# Altium PCB control_panel2.PcbDoc (part 3 of 3)
Units mm, origin at the board's own origin, x right, y up, seen from the top; angles counter-clockwise.
Board outline 120 x 480 mm, 2 copper layers (Top Layer, Bottom Layer), stack 1.635 mm thick; 282 components, 214 nets, 869 pads, 408 vias.
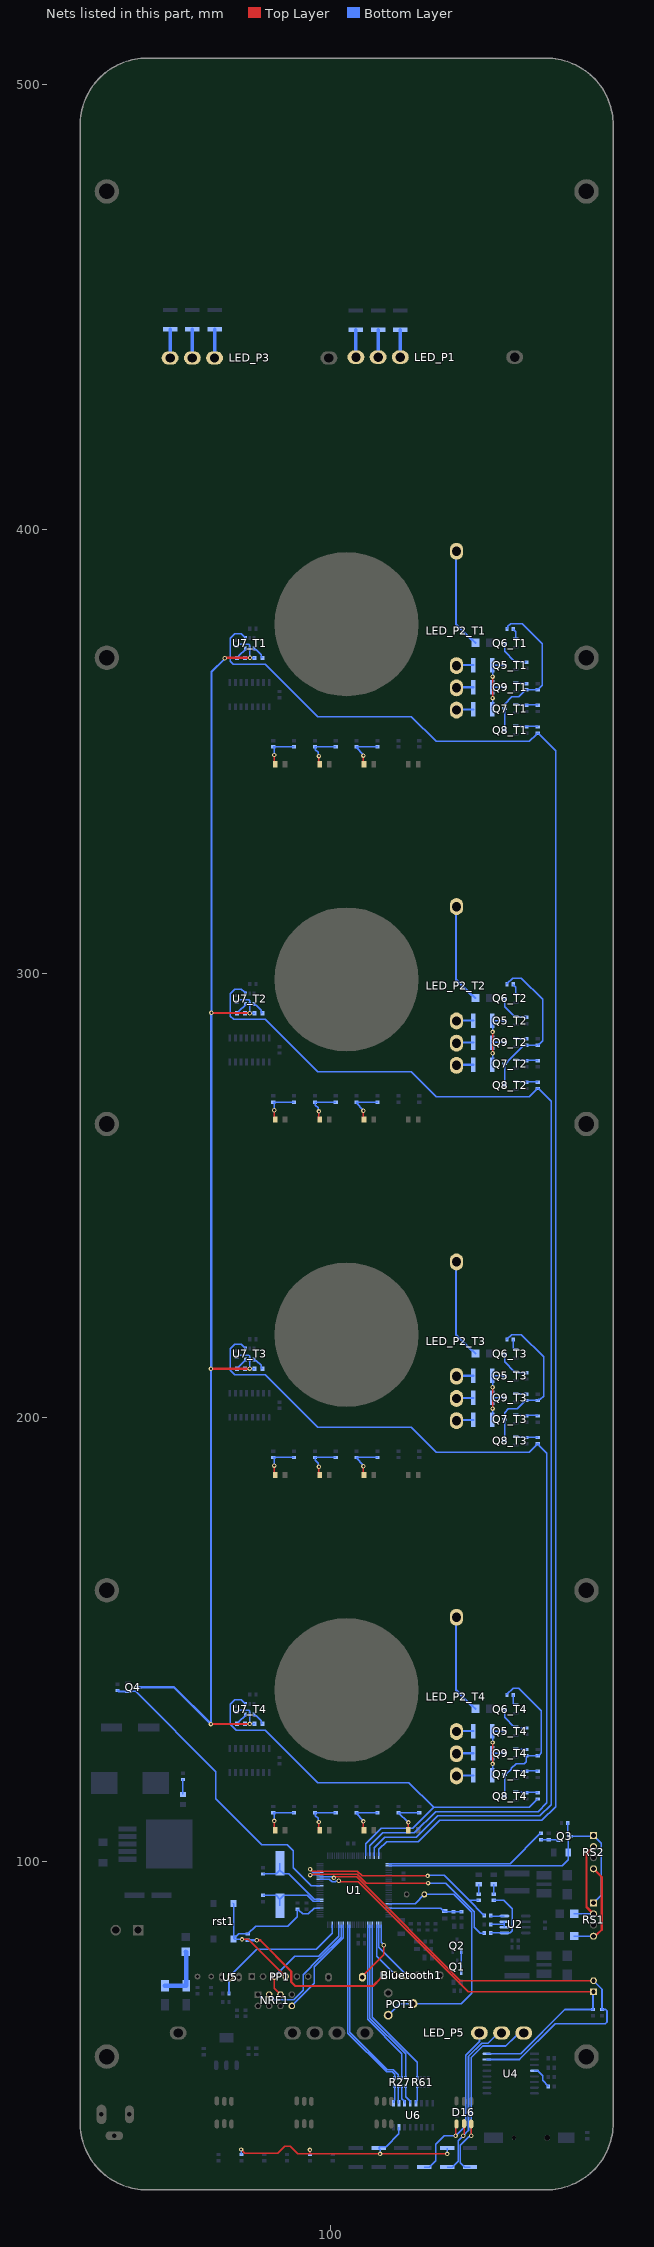
[diagram p3: the nets of this part, all layers, seen from the top]

## Via types
v1: diameter 1, hole 0.5, Top Layer to Bottom Layer, tented both sides, 398 vias
v2: diameter 1.8, hole 0.8, Top Layer to Bottom Layer, tented both sides, 10 vias

## Nets (pads, with @x,y where several pads share a name; then routed paths per layer and width w, separated by ;. In a path a pad name is that pad's centre, name@x,y a point inside that pad or via, vN(x,y) a via of type N, cw(c..) or ccw(c..) an arc to the next point about the centre after c; other vN are vias at no path point) (continued)
NetD12_T4_1: D12_T4.1 R31_T4.1 R32_T4.1 | length 9.6
  Top Layer w0.3: v1(117.562,108.752) 117.562,107.004 D12_T4.1@117.569,106.997
  Bottom Layer w0.3: v1(117.562,108.752) 117.497,108.752 R32_T4.1@115.316,110.933 R31_T4.1@120.015,110.933
NetD13_T1_1: D13_T1.1 R33_T1.1 R34_T1.1 | length 9.4
  Top Layer w0.3: v1(107.442,348.996) 107.442,347.154 D13_T1.1@107.569,347.027
  Bottom Layer w0.3: v1(107.442,348.996) 107.442,349.185 105.791,350.836 R34_T1.1@105.918,350.963 R33_T1.1@110.617,350.963
NetD13_T2_1: D13_T2.1 R33_T2.1 R34_T2.1 | length 9.4
  Top Layer w0.3: v1(107.442,268.986) 107.442,267.144 D13_T2.1@107.569,267.017
  Bottom Layer w0.3: v1(107.442,268.986) 107.442,269.175 105.791,270.826 R34_T2.1@105.918,270.953 R33_T2.1@110.617,270.953
NetD13_T3_1: D13_T3.1 R33_T3.1 R34_T3.1 | length 9.4
  Top Layer w0.3: v1(107.442,188.976) 107.442,187.134 D13_T3.1@107.569,187.007
  Bottom Layer w0.3: v1(107.442,188.976) 107.442,189.165 105.791,190.816 R34_T3.1@105.918,190.943 R33_T3.1@110.617,190.943
NetD13_T4_1: D13_T4.1 R33_T4.1 R34_T4.1 | length 9.4
  Top Layer w0.3: v1(107.442,108.966) 107.442,107.124 D13_T4.1@107.569,106.997
  Bottom Layer w0.3: v1(107.442,108.966) 107.442,109.155 105.791,110.806 R34_T4.1@105.918,110.933 R33_T4.1@110.617,110.933
NetD14_T1_1: D14_T1.1 R35_T1.1 R36_T1.1 | length 9.2
  Top Layer w0.3: v1(97.409,348.869) 97.409,347.441 97.282,347.314 D14_T1.1@97.569,347.027
  Bottom Layer w0.3: v1(97.409,348.869) 97.228,349.05 97.228,349.685 96.599,350.314 96.599,350.884 R36_T1.1@96.52,350.963 R35_T1.1@101.219,350.963
NetD14_T2_1: D14_T2.1 R35_T2.1 R36_T2.1 | length 9.2
  Top Layer w0.3: v1(97.409,268.859) 97.409,267.431 97.282,267.304 D14_T2.1@97.569,267.017
  Bottom Layer w0.3: v1(97.409,268.859) 97.228,269.04 97.228,269.675 96.599,270.304 96.599,270.874 R36_T2.1@96.52,270.953 R35_T2.1@101.219,270.953
NetD14_T3_1: D14_T3.1 R35_T3.1 R36_T3.1 | length 9.2
  Top Layer w0.3: v1(97.409,188.849) 97.409,187.421 97.282,187.294 D14_T3.1@97.569,187.007
  Bottom Layer w0.3: v1(97.409,188.849) 97.228,189.03 97.228,189.665 96.599,190.294 96.599,190.864 R36_T3.1@96.52,190.943 R35_T3.1@101.219,190.943
NetD14_T4_1: D14_T4.1 R35_T4.1 R36_T4.1 | length 9.2
  Top Layer w0.3: v1(97.409,108.839) 97.409,107.411 97.282,107.284 D14_T4.1@97.569,106.997
  Bottom Layer w0.3: v1(97.409,108.839) 97.228,109.02 97.228,109.655 96.599,110.284 96.599,110.854 R36_T4.1@96.52,110.933 R35_T4.1@101.219,110.933
NetD15_T1_1: D15_T1.1 R37_T1.1 R38_T1.1 | length 8.8
  Top Layer w0.3: v1(87.376,349.123) 87.376,347.22 D15_T1.1@87.569,347.027
  Bottom Layer w0.3: R38_T1.1@87.122,350.963 R38_T1.1@87.151,350.963 ; v1(87.376,349.123) 87.376,350.738 R38_T1.1@87.151,350.963 ; R37_T1.1@91.821,350.963 R38_T1.1@87.151,350.963
NetD15_T2_1: D15_T2.1 R37_T2.1 R38_T2.1 | length 8.8
  Top Layer w0.3: v1(87.376,269.113) 87.376,267.21 D15_T2.1@87.569,267.017
  Bottom Layer w0.3: R38_T2.1@87.122,270.953 R38_T2.1@87.151,270.953 ; v1(87.376,269.113) 87.376,270.728 R38_T2.1@87.151,270.953 ; R37_T2.1@91.821,270.953 R38_T2.1@87.151,270.953
NetD15_T3_1: D15_T3.1 R37_T3.1 R38_T3.1 | length 8.8
  Top Layer w0.3: v1(87.376,189.103) 87.376,187.2 D15_T3.1@87.569,187.007
  Bottom Layer w0.3: R38_T3.1@87.122,190.943 R38_T3.1@87.151,190.943 ; v1(87.376,189.103) 87.376,190.718 R38_T3.1@87.151,190.943 ; R37_T3.1@91.821,190.943 R38_T3.1@87.151,190.943
NetD15_T4_1: D15_T4.1 R37_T4.1 R38_T4.1 | length 8.8
  Top Layer w0.3: v1(87.376,109.093) 87.376,107.19 D15_T4.1@87.569,106.997
  Bottom Layer w0.3: R38_T4.1@87.122,110.933 R38_T4.1@87.151,110.933 ; v1(87.376,109.093) 87.376,110.708 R38_T4.1@87.151,110.933 ; R37_T4.1@91.821,110.933 R38_T4.1@87.151,110.933
NetD16_1: D16.1 LED_P5.2 R57.2 | length 40.3
  Top Layer w0.3: v1(128.2,38.2) 128.2,40.636 D16.1@128.398,40.834
  Bottom Layer w0.3: R57.2@121.146,31.124 122.296,31.124 122.621,31.449 123.7,32.528 123.7,36.3 125.6,38.2 v1(128.2,38.2)
  Bottom Layer w0.4: v1(128.2,38.2) 130.484,40.484 130.484,56.284 133.55,59.35 LED_P5.2@133.55,61.341
NetD16_2: D16.2 LED_P5.3 R56.2 | length 40
  Top Layer w0.3: v1@129.9,37.95 129.9,37.85 v1@130.099,38.049 ; D16.2@130.098,40.934 130.099,40.933 v1@130.099,38.499
  Bottom Layer w0.3: R56.2@126.296,31.124 127.446,31.124 127.771,31.449 128.8,32.478 128.8,37.1 v1(129.9,38.2)
  Bottom Layer w0.4: v1(129.9,38.2) 131.1,39.4 131.1,56.051 134.049,59 135.5,59 137.841,61.341 LED_P5.3@138.55,61.341
NetD16_3: D16.3 LED_P5.4 R55.2 | length 44.3
  Top Layer w0.3: D16.3@131.698,40.834 131.749,40.783 v1@131.749,38.249 ; v1@131.7,37.85 v1@131.749,37.899
  Bottom Layer w0.3: R55.2@131.445,31.124 130.295,31.124 129.3,32.119 129.3,36.1 131.178,37.978 131.289,37.978 131.511,38.2 v1(131.7,38.2) ; v1@131.626,37.85 v1@131.7,37.85
  Bottom Layer w0.4: v1(131.7,38.2) 131.7,55.803 134.297,58.4 139.5,58.4 141.711,60.611 141.716,60.611 142.446,61.341 LED_P5.4@143.55,61.341
NetD17_1: D17.1 R62.1 | length 2.2
  Bottom Layer w0.3: D17.1@136.8,94.8 136.8,92.607 R62.1@136.807,92.6
NetD18_1: D18.1 R63.1 | length 2.2
  Bottom Layer w0.3: D18.1@133.4,94.8 133.4,92.607 R63.1@133.407,92.6
NetF1_2: F1.2 RS1.4 RS2.4 | length 21.4
  Top Layer w0.5: RS1.4@159.258,83.129 159.553,83.129 159.96,83.536 160.036,83.536 161.1,84.6 161.1,96.458 RS2.4@159.258,98.3
  Bottom Layer w0.3: F1.2@154.778,83.129 RS1.4@159.258,83.129
NetF2_2: F2.2 RS1.2 RS2.2 | length 20.9
  Top Layer w0.5: RS1.2@159.258,88.129 157.7,89.687 157.7,101.742 RS2.2@159.258,103.3
  Bottom Layer w0.3: F2.2@154.778,88.129 RS1.2@159.258,88.129
NetLED1_A: LED1.A R15.2 | length 3.4
  Bottom Layer w0.3: LED1.A@66.802,115.044 R15.2@66.802,118.426
NetLED_P1_2: LED_P1.2 R24.2 | length 6.2
  Bottom Layer w0.8: LED_P1.2@115.751,438.713 R24.2@115.751,444.89
NetLED_P1_3: LED_P1.3 R23.2 | length 6.2
  Bottom Layer w0.8: LED_P1.3@110.751,438.713 R23.2@110.751,444.89
NetLED_P1_4: LED_P1.4 R22.1 | length 6.2
  Bottom Layer w0.8: LED_P1.4@105.751,438.713 R22.1@105.751,444.89
NetLED_P2_T1_1: LED_P2_T1.1 R39_T1.2 | length 22.5
  Bottom Layer w0.5: LED_P2_T1.1@128.27,394.97 128.27,378.587 131.786,375.071 131.979,375.071 R39_T1.2@132.654,374.396
NetLED_P2_T1_2: LED_P2_T1.2 R42_T1.1 | length 3.9
  Bottom Layer w0.5: LED_P2_T1.2@128.27,369.37 R42_T1.1@132.154,369.37
NetLED_P2_T1_3: LED_P2_T1.3 R41_T1.1 | length 3.9
  Bottom Layer w0.5: LED_P2_T1.3@128.27,364.37 R41_T1.1@132.154,364.37
NetLED_P2_T1_4: LED_P2_T1.4 R40_T1.1 | length 3.9
  Bottom Layer w0.5: LED_P2_T1.4@128.27,359.37 R40_T1.1@132.154,359.37
NetLED_P2_T2_1: LED_P2_T2.1 R39_T2.2 | length 22.5
  Bottom Layer w0.5: LED_P2_T2.1@128.27,314.96 128.27,298.577 131.786,295.061 131.979,295.061 R39_T2.2@132.654,294.386
NetLED_P2_T2_2: LED_P2_T2.2 R42_T2.1 | length 3.9
  Bottom Layer w0.5: LED_P2_T2.2@128.27,289.36 R42_T2.1@132.154,289.36
NetLED_P2_T2_3: LED_P2_T2.3 R41_T2.1 | length 3.9
  Bottom Layer w0.5: LED_P2_T2.3@128.27,284.36 R41_T2.1@132.154,284.36
NetLED_P2_T2_4: LED_P2_T2.4 R40_T2.1 | length 3.9
  Bottom Layer w0.5: LED_P2_T2.4@128.27,279.36 R40_T2.1@132.154,279.36
NetLED_P2_T3_1: LED_P2_T3.1 R39_T3.2 | length 22.5
  Bottom Layer w0.5: LED_P2_T3.1@128.27,234.95 128.27,218.567 131.786,215.051 131.979,215.051 R39_T3.2@132.654,214.376
NetLED_P2_T3_2: LED_P2_T3.2 R42_T3.1 | length 3.9
  Bottom Layer w0.5: LED_P2_T3.2@128.27,209.35 R42_T3.1@132.154,209.35
NetLED_P2_T3_3: LED_P2_T3.3 R41_T3.1 | length 3.9
  Bottom Layer w0.5: LED_P2_T3.3@128.27,204.35 R41_T3.1@132.154,204.35
NetLED_P2_T3_4: LED_P2_T3.4 R40_T3.1 | length 3.9
  Bottom Layer w0.5: LED_P2_T3.4@128.27,199.35 R40_T3.1@132.154,199.35
NetLED_P2_T4_1: LED_P2_T4.1 R39_T4.2 | length 22.5
  Bottom Layer w0.5: LED_P2_T4.1@128.27,154.94 128.27,138.557 131.786,135.041 131.979,135.041 R39_T4.2@132.654,134.366
NetLED_P2_T4_2: LED_P2_T4.2 R42_T4.1 | length 3.8
  Bottom Layer w0.5: LED_P2_T4.2@128.397,129.34 R42_T4.1@132.154,129.34
NetLED_P2_T4_3: LED_P2_T4.3 R41_T4.1 | length 3.8
  Bottom Layer w0.5: LED_P2_T4.3@128.397,124.213 128.524,124.34 R41_T4.1@132.154,124.34
NetLED_P2_T4_4: LED_P2_T4.4 R40_T4.1 | length 3.9
  Bottom Layer w0.5: LED_P2_T4.4@128.27,119.34 R40_T4.1@132.154,119.34
NetLED_P3_2: LED_P3.2 R60.2 | length 6.5
  Bottom Layer w0.8: LED_P3.2@73.914,438.531 R60.2@73.914,445.017
NetLED_P3_3: LED_P3.3 R59.2 | length 6.5
  Bottom Layer w0.8: LED_P3.3@68.914,438.531 R59.2@68.914,445.017
NetLED_P3_4: LED_P3.4 R58.1 | length 6.5
  Bottom Layer w0.8: LED_P3.4@63.914,438.531 R58.1@63.914,445.017
NetQ1_2: Q1.1 Q2.1 | length 4.8
  Bottom Layer w0.3: Q2.1@129.473,79.776 129.479,79.77 129.479,75.028 Q1.1@129.485,75.022
NetQ3_2: Q3.1 R17.1 R18.1 | length 4.2
  Bottom Layer w0.3: R17.1@147.397,104.883 R18.1@149.175,104.883 150.956,104.883 151.181,104.658 Q3.1@151.481,104.658
NetQ5_T1_2: Q5_T1.1 Q6_T1.3 R43_T1.2 | length 7.8
  Bottom Layer w0.3: Q6_T1.3@139.212,374.3 139.212,372.466 141.412,370.266 Q5_T1.1@141.712,370.266 141.825,370.153 144.033,370.153 R43_T1.2@144.145,370.041
NetQ5_T2_2: Q5_T2.1 Q6_T2.3 R43_T2.2 | length 7.8
  Bottom Layer w0.3: Q6_T2.3@139.212,294.29 139.212,292.456 141.412,290.256 Q5_T2.1@141.712,290.256 141.825,290.143 144.033,290.143 R43_T2.2@144.145,290.031
NetQ5_T3_2: Q5_T3.1 Q6_T3.3 R43_T3.2 | length 7.8
  Bottom Layer w0.3: Q6_T3.3@139.212,214.28 139.212,212.446 141.412,210.246 Q5_T3.1@141.712,210.246 142.012,210.246 142.237,210.021 R43_T3.2@144.145,210.021
NetQ5_T4_2: Q5_T4.1 Q6_T4.3 R43_T4.2 | length 7.8
  Bottom Layer w0.3: Q6_T4.3@139.212,134.27 139.212,132.436 141.412,130.236 Q5_T4.1@141.712,130.236 141.825,130.123 144.033,130.123 R43_T4.2@144.145,130.011
NetQ6_T1_2: Q6_T1.1 R65_T1.2 | length 2.5
  Bottom Layer w0.3: R65_T1.2@141.162,377.5 141.162,377.405 141.712,376.855 Q6_T1.1@141.712,375.25
NetQ6_T2_2: Q6_T2.1 R65_T2.2 | length 2.5
  Bottom Layer w0.3: R65_T2.2@141.162,297.49 141.162,297.395 141.712,296.845 Q6_T2.1@141.712,295.24
NetQ6_T3_2: Q6_T3.1 R65_T3.2 | length 2.7
  Bottom Layer w0.3: R65_T3.2@141.162,217.48 141.162,215.48 141.412,215.23 Q6_T3.1@141.712,215.23
NetQ6_T4_2: Q6_T4.1 R65_T4.2 | length 2.7
  Bottom Layer w0.3: R65_T4.2@141.162,137.47 141.162,135.47 141.412,135.22 Q6_T4.1@141.712,135.22
NetQ7_T1_1: Q7_T1.3 Q8_T1.3 R44_T1.2 R64_T1.1 R65_T1.1 | length 36
  Bottom Layer w0.3: Q8_T1.3@139.212,354.711 Q7_T1.3@139.212,359.579 139.212,360.512 140.887,362.187 142.392,362.187 144.005,363.8 146.4,363.8 146.625,364.025 146.925,364.025 147.7,364.8 147.7,374.2 143.2,378.7 140.6,378.7 139.987,378.087 139.987,377.725 R65_T1.1@139.762,377.5
NetQ7_T1_2: Q7_T1.1 R46_T1.1 R48_T1.1 | length 5.1
  Bottom Layer w0.3: Q7_T1.1@141.712,360.529 141.825,360.417 146.573,360.417 R46_T1.1@146.685,360.304
NetQ7_T2_1: Q7_T2.3 Q8_T2.3 R44_T2.2 R64_T2.1 R65_T2.1 | length 35.5
  Bottom Layer w0.3: Q8_T2.3@139.212,274.701 Q7_T2.3@139.212,279.569 139.512,279.569 139.662,279.719 139.662,279.864 140.315,280.517 143.363,283.565 143.875,283.565 R64_T2.1@144.1,283.79 146.4,283.79 R44_T2.2@146.495,283.79 ; R65_T2.1@139.762,297.49 139.762,297.585 141.077,298.9 143,298.9 147.805,294.095 147.805,284.805 147.015,284.015 146.91,284.015 R44_T2.2@146.685,283.79
NetQ7_T2_2: Q7_T2.1 R46_T2.1 R48_T2.1 | length 5.1
  Bottom Layer w0.3: Q7_T2.1@141.712,280.519 141.825,280.407 146.573,280.407 R46_T2.1@146.685,280.294
NetQ7_T3_1: Q7_T3.3 Q8_T3.3 R44_T3.2 R64_T3.1 R65_T3.1 | length 36.2
  Bottom Layer w0.3: Q8_T3.3@139.212,194.691 Q7_T3.3@139.212,199.559 139.212,201.012 140.1,201.9 142.125,201.9 144.005,203.78 R64_T3.1@144.1,203.78 146.4,203.78 R44_T3.2@146.495,203.78 ; R65_T3.1@139.762,217.48 139.762,217.575 140.787,218.6 143,218.6 148,213.6 148,204.7 147.305,204.005 146.91,204.005 R44_T3.2@146.685,203.78
NetQ7_T3_2: Q7_T3.1 R46_T3.1 R48_T3.1 | length 5.1
  Bottom Layer w0.3: Q7_T3.1@141.712,200.509 141.825,200.397 146.573,200.397 R46_T3.1@146.685,200.284
NetQ7_T4_1: Q7_T4.3 Q8_T4.3 R44_T4.2 R64_T4.1 R65_T4.1 | length 35.9
  Bottom Layer w0.3: Q8_T4.3@139.212,114.681 Q7_T4.3@139.212,119.549 139.512,119.549 140.74,120.777 140.74,120.922 141.818,122 143.7,122 144.1,122.4 R64_T4.1@144.1,123.77 146.4,123.77 R44_T4.2@146.495,123.77 ; R65_T4.1@139.762,137.47 139.762,137.565 141.173,138.976 142.424,138.976 147.505,133.895 147.505,124.405 147.095,123.995 146.91,123.995 R44_T4.2@146.685,123.77
NetQ7_T4_2: Q7_T4.1 R46_T4.1 R48_T4.1 | length 5.1
  Bottom Layer w0.3: Q7_T4.1@141.712,120.499 141.825,120.387 146.573,120.387 R46_T4.1@146.685,120.274
NetQ8_T1_2: Q8_T1.1 R45_T1.2 R47_T1.1 | length 5.1
  Bottom Layer w0.3: Q8_T1.1@141.712,355.661 141.825,355.548 146.573,355.548 R45_T1.2@146.685,355.436
NetQ8_T2_2: Q8_T2.1 R45_T2.2 R47_T2.1 | length 5.1
  Bottom Layer w0.3: Q8_T2.1@141.712,275.651 141.825,275.538 146.573,275.538 R45_T2.2@146.685,275.426
NetQ8_T3_2: Q8_T3.1 R45_T3.2 R47_T3.1 | length 5.1
  Bottom Layer w0.3: Q8_T3.1@141.712,195.641 141.825,195.528 146.573,195.528 R45_T3.2@146.685,195.416
NetQ8_T4_2: Q8_T4.1 R45_T4.2 R47_T4.1 | length 5.1
  Bottom Layer w0.3: Q8_T4.1@141.712,115.631 141.825,115.518 146.573,115.518 R45_T4.2@146.685,115.406
NetQ9_T1_2: Q9_T1.1 R64_T1.2 | length 2.5
  Bottom Layer w0.3: Q9_T1.1@141.712,365.35 141.787,365.275 144.025,365.275 R64_T1.2@144.1,365.2
NetQ9_T2_2: Q9_T2.1 R64_T2.2 | length 2.5
  Bottom Layer w0.5: Q9_T2.1@141.712,285.34 142.012,285.34 142.162,285.19 R64_T2.2@144.1,285.19
NetQ9_T3_2: Q9_T3.1 R64_T3.2 | length 2.5
  Bottom Layer w0.3: Q9_T3.1@141.712,205.33 141.787,205.255 144.025,205.255 R64_T3.2@144.1,205.18
NetQ9_T4_2: Q9_T4.1 R64_T4.2 | length 2.5
  Bottom Layer w0.3: Q9_T4.1@141.712,125.32 141.787,125.245 144.025,125.245 R64_T4.2@144.1,125.17
NetR4_1: R4.1 R62.2 U2.1 | length 14.9
  Bottom Layer w0.3: R4.1@136.082,83.82 136.126,83.864 U2.1@139.205,83.864 ; R62.2@136.807,91.2 139,91.2 140.9,89.3 140.9,84.3 140.465,83.865 U2.1@139.206,83.865
NetR5_1: R5.1 U2.2 U2.3 | length 4.4
  Bottom Layer w0.3: R5.1@136.082,85.788 139.185,85.788 139.205,85.769 ; U2.2@139.205,85.134 139.205,85.769 ; U2.3@139.205,86.404 139.205,85.769
NetR7_1: R7.1 U2.4 | length 3.2
  Bottom Layer w0.3: R7.1@136.082,87.757 136.165,87.674 U2.4@139.205,87.674
NetR25_1: R25.1 U4.4 | length 5.3
  Bottom Layer w0.3: U4.4@145.939,52.832 146.689,52.832 147.768,51.753 147.768,50.636 149.033,49.371 R25.1@149.033,49.276
NetR26_1: R26.1 U1.23 U5.2 | length 33
  Bottom Layer w0.3: U5.2@77.47,73.914 77.47,74.214 83.393,80.137 96.774,80.137 100.41,83.773 U1.23@100.41,85.722
  Bottom Layer w0.5: R26.1@77.154,70.231 77.154,73.054 77.47,73.37 U5.2@77.47,73.914
NetR27_1: R27.1 U1.16 | length 39.7
  Bottom Layer w0.3: U1.16@103.91,85.722 103.91,61.317 112.649,52.578 113.974,52.578 114.457,52.095 R27.1@114.457,51.177
NetR27_2: R27.2 U1.15 | length 39.8
  Bottom Layer w0.3: U1.15@104.41,85.722 104.41,61.524 112.856,53.078 114.181,53.078 115.297,51.962 R27.2@115.297,51.177
NetR27_3: R27.3 U1.7 | length 37.7
  Bottom Layer w0.3: U1.7@108.41,85.722 108.41,64.39 116.097,56.703 R27.3@116.097,51.177
NetR27_4: R27.4 U1.6 | length 37.9
  Bottom Layer w0.3: U1.6@108.91,85.722 108.91,64.69 116.937,56.663 R27.4@116.937,51.177
NetR27_5: R27.5 U6.4 | length 4.3
  Bottom Layer w0.3: R27.5@116.937,49.407 116.937,46.995 117.983,45.949 U6.4@117.983,45.511
NetR27_6: R27.6 U6.3 | length 4.2
  Bottom Layer w0.3: R27.6@116.097,49.407 116.097,46.565 116.713,45.949 U6.3@116.713,45.511
NetR27_7: R27.7 U6.2 | length 4
  Bottom Layer w0.3: R27.7@115.297,49.407 115.3,49.404 115.3,45.654 U6.2@115.443,45.511
NetR27_8: R27.8 U6.1 | length 4.1
  Bottom Layer w0.3: U6.1@114.3,45.638 114.3,46.076 114.457,46.233 R27.8@114.457,49.407 R27.8@114.304,49.254
NetR61_1: R61.1 U1.5 | length 38.7
  Bottom Layer w0.3: U1.5@109.41,85.722 109.41,64.897 119.537,54.77 R61.1@119.537,51.177
NetR61_8: R61.8 U6.5 | length 4
  Bottom Layer w0.3: U6.5@119.253,45.511 119.253,45.949 119.537,46.233 119.537,47.834 R61.8@119.537,49.407
NetSP1_1: SP1.1 U1.1 | length 14.1
  Top Layer w0.3: SP1.1@107.2,73.9 107.2,74.1 112,78.9 v1(112,81.1)
  Bottom Layer w0.3: U1.1@111.41,85.722 111.41,81.79 112,81.2 v1(112,81.1)
NetU7_T1_4: U7_T1.4 W2_T1.1 | length 3.1
  Bottom Layer w0.3: U7_T1.4@82.795,373.069 82.795,372.944 82.97,372.769 83.32,372.769 84.394,371.695 84.394,371.192 W2_T1.1@84.619,370.967
NetU7_T1_6: U7_T1.6 W1_T1.2 | length 2.9
  Bottom Layer w0.3: W1_T1.2@79.072,370.967 79.369,371.264 79.369,371.418 80.895,372.944 U7_T1.6@80.895,373.069
NetU7_T2_4: U7_T2.4 W2_T2.1 | length 3.1
  Bottom Layer w0.3: U7_T2.4@82.795,293.059 82.795,292.934 82.97,292.759 83.32,292.759 84.394,291.685 84.394,291.182 W2_T2.1@84.619,290.957
NetU7_T2_6: U7_T2.6 W1_T2.2 | length 2.9
  Bottom Layer w0.3: W1_T2.2@79.072,290.957 79.369,291.254 79.369,291.408 80.895,292.934 U7_T2.6@80.895,293.059
NetU7_T3_4: U7_T3.4 W2_T3.1 | length 3.1
  Bottom Layer w0.3: U7_T3.4@82.795,213.049 82.795,212.924 82.97,212.749 83.32,212.749 84.394,211.675 84.394,211.172 W2_T3.1@84.619,210.947
NetU7_T3_6: U7_T3.6 W1_T3.2 | length 2.9
  Bottom Layer w0.3: W1_T3.2@79.072,210.947 79.369,211.244 79.369,211.398 80.895,212.924 U7_T3.6@80.895,213.049
NetU7_T4_4: U7_T4.4 W2_T4.1 | length 3.1
  Bottom Layer w0.3: U7_T4.4@82.795,133.039 82.795,132.914 82.97,132.739 83.32,132.739 84.394,131.665 84.394,131.162 W2_T4.1@84.619,130.937
NetU7_T4_6: U7_T4.6 W1_T4.2 | length 2.9
  Bottom Layer w0.3: W1_T4.2@79.072,130.937 79.369,131.234 79.369,131.388 80.895,132.914 U7_T4.6@80.895,133.039
NRF_CE: NRF1.3 U1.19 | length 27.3
  Bottom Layer w0.3: NRF1.3@86.233,69.977 87.376,68.834 91.726,68.834 93.896,71.004 93.896,74.497 97.536,78.137 97.602,78.137 102.41,82.945 U1.19@102.41,85.722
NRF_IRQ: NRF1.8 U1.18 | length 23.1
  Bottom Layer w0.3: NRF1.8@91.313,67.437 96.393,72.517 96.393,76.22 102.91,82.737 U1.18@102.91,85.722
NRF_SCK: NRF1.5 PP1.3 U1.20 | length 25.5
  Top Layer w0.3: PP1.3@87.376,74.041 87.376,71.374 NRF1.5@88.773,69.977
  Bottom Layer w0.3: PP1.3@87.376,74.041 91.924,78.589 97.281,78.589 97.329,78.637 97.395,78.637 101.91,83.152 U1.20@101.91,85.722
photo: LDR1.2 POT1.1 POT1.3 U1.94 | length 60.2
  Bottom Layer w0.3: POT1.1@113.018,65.345 115.618,67.945 POT1.3@118.618,67.945 129.445,67.945 131.8,70.3 131.8,88.5 127.773,92.527 LDR1.2@121.169,92.527 119.114,90.472 U1.94@113.16,90.472
RED: R29.1 R50.1 R53.1 R56.1 U6.15 | length 61.4
  Top Layer w0.3: v1(79.9,35.1) 80.75,34.25 88.15,34.25 89.75,35.85 90.95,35.85 92.7,34.1 95.4,34.1 ; v1(95.4,35) 95.4,34.1 ; v1(126.3,34.1) 111,34.1 95.4,34.1
  Bottom Layer w0.3: v1(79.9,35.1) 79.9,34.026 R29.1@79.952,33.974 ; R50.1@95.4,33.974 v1(95.4,35) ; v1(111.2,34.1) 111.2,35.072 R53.1@110.848,35.424 111.173,35.749 112.549,35.749 115.443,38.643 U6.15@115.443,40.087 ; R56.1@126.296,35.424 126.3,35.42 v1(126.3,34.1)
red_led_T1: Q9_T1.3 R41_T1.2 | length 2.8
  Bottom Layer w0.3: R41_T1.2@136.454,364.363 136.491,364.4 Q9_T1.3@139.212,364.4
red_led_T2: Q9_T2.3 R41_T2.2 | length 2.8
  Bottom Layer w0.3: R41_T2.2@136.454,284.353 136.491,284.39 Q9_T2.3@139.212,284.39
red_led_T3: Q9_T3.3 R41_T3.2 | length 2.8
  Bottom Layer w0.3: R41_T3.2@136.454,204.343 136.491,204.38 Q9_T3.3@139.212,204.38
red_led_T4: Q9_T4.3 R41_T4.2 | length 2.8
  Bottom Layer w0.3: R41_T4.2@136.454,124.333 136.491,124.37 Q9_T4.3@139.212,124.37
req_to_send: R17.2 U1.76 | length 37.1
  Bottom Layer w0.3: U1.76@113.16,99.472 140.491,99.472 147.302,106.283 R17.2@147.397,106.283
Reset: C3.2 PP1.4 R1.1 rst1.1 rst1.2 U1.30 | length 47.4
  Top Layer w0.3: v1(80.1,82.4) 81.557,82.4 PP1.4@89.916,74.041
  Bottom Layer w0.3: rst1.2@78.066,90.551 rst1.2@78.196,90.421 ; rst1.2@78.196,90.462 rst1.2@78.196,90.421 ; v1(80.1,82.4) 78.433,82.4 rst1.1@78.196,82.637 ; R1.1@92.583,89.216 92.583,87.534 90.449,85.4 83.176,85.4 C3.2@81.407,83.631 79.315,83.631 78.821,83.137 78.696,83.137 rst1.1@78.196,82.637 ; R1.1@92.678,89.216 92.903,88.991 92.903,88.961 93.726,88.138 94.996,88.138 96.33,89.472 U1.30@97.66,89.472 ; rst1.1@78.196,82.637 rst1.2@78.196,90.421
RS48_busy: D8.2 Q3.3 R16.2 RS1.1 RS2.1 U1.77 | length 71.7
  Bottom Layer w0.3: U1.77@113.16,98.972 152.172,98.972 153.6,100.4 D8.2@153.6,102 153.6,105.458 Q3.3@153.75,105.608 ; R16.2@153.431,108.656 153.431,105.858 153.681,105.608 Q3.3@153.75,105.608 ; RS1.1@159.258,90.629 161,92.371 161,104.058 RS2.1@159.258,105.8 159.066,105.608 Q3.3@153.981,105.608 Q3.3@153.75,105.608
RX0: Bluetooth1.3 U1.2 | length 14
  Bottom Layer w0.3: U1.2@110.91,85.722 110.91,80.629 117.094,74.445 Bluetooth1.3@117.094,74.295
RX485: R4.2 U1.45 | length 49
  Top Layer w0.3: v1(95.486,96.886) 95.7,97.1 106.093,97.1 108.093,95.1 v1(122,95.1)
  Bottom Layer w0.3: v1(95.486,96.886) 95.572,96.972 U1.45@97.66,96.972 ; v1(122,95.1) 122.05,95.05 125.957,95.05 132.4,88.607 132.4,85.2 133.78,83.82 R4.2@134.682,83.82
RX_b: Bluetooth1.2.5 U1.3 | length 13.1
  Bottom Layer w0.3: U1.3@110.41,85.722 110.41,78.589 114.554,74.445 Bluetooth1.2.5@114.554,74.295
SCL: I1.1 R8.2 U1.43 U4.16 | length 104.3
  Top Layer w0.3: v1(101.9,95.6) 102.1,95.4 106.293,95.4 131.081,70.612 I1.1@159.258,70.612
  Bottom Layer w0.3: U1.43@97.66,95.972 99.728,95.972 100.1,95.6 100.248,95.6 100.448,95.4 101.152,95.4 101.218,95.466 101.766,95.466 v1(101.9,95.6)
  Bottom Layer w0.4: U4.16@135.239,56.642 142.842,56.642 152.813,66.613 R8.2@159.131,66.613 159.131,70.485 I1.1@159.258,70.612
SDA: I1.2 R9.2 U1.44 U4.15 | length 113.2
  Top Layer w0.3: v1(100.8,96.25) 100.8,96.324 100.976,96.5 105.9,96.5 129.288,73.112 I1.2@159.258,73.112
  Bottom Layer w0.3: U1.44@97.66,96.472 100.624,96.472 100.624,96.426 v1(100.8,96.25)
  Bottom Layer w0.4: U4.15@135.239,55.372 142.572,55.372 150.6,63.4 161.9,63.4 162.3,63.8 162.3,66.325 162.012,66.613 R9.2@161.163,66.613 161.163,71.207 I1.2@159.258,73.112
state: Bluetooth1.1 C3.1 | length 37.4
  Top Layer w0.5: v1(83.4,82.2) 84.2,82.2 91.2,75.2 91.2,72.8 92.1,71.9 109.619,71.9 111.364,73.645 111.514,73.645 112.014,74.145 Bluetooth1.1@112.014,74.295
  Bottom Layer w0.5: C3.1@81.407,82.231 81.422,82.215 83.385,82.215 v1(83.4,82.2)
touch1: R45_T1.1 U1.74 U7_T1.1 | length 375.7
  Bottom Layer w0.3: U7_T1.1@80.895,375.469 80.895,375.594 80.72,375.769 80.595,375.769 79.936,376.428 78.486,376.428 77.47,375.412 77.47,370.205 78.105,369.57 85.344,369.57 97.155,357.759 118.237,357.759 123.825,352.171 144.82,352.171 146.365,353.716 146.365,353.811 146.59,354.036 R45_T1.1@146.685,354.036 146.78,354.036 150.7,350.116 150.7,112.307 147.593,109.2 124.593,109.2 119.793,104.4 112.643,104.4 110.91,102.667 U1.74@110.91,101.222
touch2: R45_T2.1 U1.72 U7_T2.1 | length 295.2
  Bottom Layer w0.3: U7_T2.1@80.895,295.459 80.895,295.584 80.72,295.759 80.595,295.759 79.936,296.418 78.486,296.418 77.47,295.402 77.47,290.33 78.24,289.56 85.344,289.56 97.155,277.749 118.237,277.749 123.825,272.161 144.82,272.161 146.365,273.706 146.365,273.801 146.59,274.026 R45_T2.1@146.685,274.026 146.78,274.026 149.7,271.106 149.7,112.721 147.179,110.2 124.179,110.2 119.379,105.4 112.228,105.4 109.91,103.082 U1.72@109.91,101.222
touch3: R45_T3.1 U1.70 U7_T3.1 | length 214.7
  Bottom Layer w0.3: U7_T3.1@80.895,215.449 80.895,215.574 80.72,215.749 80.595,215.749 79.936,216.408 78.486,216.408 77.47,215.392 77.47,210.537 78.457,209.55 85.344,209.55 97.155,197.739 118.237,197.739 123.825,192.151 144.82,192.151 146.365,193.696 146.365,193.791 146.59,194.016 R45_T3.1@146.685,194.016 146.78,194.016 147.005,193.791 147.005,193.601 148.7,191.906 148.7,113.136 146.764,111.2 123.714,111.2 118.914,106.4 111.814,106.4 108.91,103.496 U1.70@108.91,101.222
touch4: R45_T4.1 U1.68 U7_T4.1 | length 108
  Bottom Layer w0.3: U7_T4.1@80.895,135.439 80.895,135.564 80.72,135.739 80.595,135.739 79.936,136.398 78.486,136.398 77.47,135.382 77.47,130.851 78.781,129.54 85.344,129.54 97.155,117.729 117.671,117.729 123.25,112.15 ; U1.68@107.91,101.222 107.91,103.91 111.4,107.4 118.5,107.4 123.3,112.2 144.784,112.2 146.59,114.006 R45_T4.1@146.685,114.006
touch_on: Q4.1 R20.2 U1.40 | length 69.6
  Bottom Layer w0.3: Q4.1@54.376,138.242 56.158,138.242 74.2,120.2 74.2,114.1 84.6,103.7 90.3,103.7 91.6,102.4 91.6,98.544 95.672,94.472 U1.40@97.66,94.472
  Bottom Layer w0.5: R20.2@52.07,138.467 52.165,138.467 52.39,138.242 Q4.1@54.376,138.242
TTP_VDD_T1: C26_T1.2 C26_T2.2 C26_T3.2 C26_T4.2 Q4.3 U7_T1.5 U7_T2.5 U7_T3.5 U7_T4.5 W1_T1.1 W1_T2.1 W1_T3.1 W1_T4.1 W2_T1.2 W2_T2.2 W2_T3.2 W2_T4.2 | length 325.8
  Top Layer w0.5: v1(73.1,130.9) 73.137,130.937 v1(81.845,130.937) ; v1(73.1,210.9) 73.124,210.923 81.822,210.923 v1(81.845,210.947) ; v1(73.2,291.1) 73.272,291.028 81.774,291.028 v1(81.845,290.957) ; v1(76.2,370.9) 76.296,370.996 76.649,370.996 76.654,371 v1(81.9,371)
  Bottom Layer w0.3: C26_T4.2@78.867,133.539 78.962,133.539 79.408,133.985 81.67,133.985 81.845,133.809 U7_T4.5@81.845,133.039 v1(81.845,130.937) ; C26_T3.2@78.867,213.549 78.962,213.549 79.408,213.995 81.67,213.995 81.845,213.819 U7_T3.5@81.845,213.049 v1(81.845,210.947) ; C26_T2.2@78.867,293.559 78.962,293.559 79.408,294.005 81.67,294.005 81.845,293.829 U7_T2.5@81.845,293.059 v1(81.845,290.957) ; C26_T1.2@78.867,373.569 78.962,373.569 79.408,374.015 81.67,374.015 81.845,373.839 U7_T1.5@81.845,373.069 v1@81.845,371 ; W1_T4.1@80.772,130.937 v1(81.845,130.937) ; W1_T3.1@80.772,210.947 v1(81.845,210.947) ; W1_T2.1@80.772,290.957 v1(81.845,290.957) ; W1_T1.1@80.772,370.967 v1@81.845,370.967 ; v1@81.9,370.967 W2_T1.2@82.919,370.967 ; W2_T4.2@82.919,130.937 v1(81.845,130.937) ; W2_T3.2@82.919,210.947 v1(81.845,210.947) ; W2_T2.2@82.919,290.957 v1(81.845,290.957)
  Bottom Layer w0.5: Q4.3@56.876,139.192 64.808,139.192 v1(73.1,130.9) v1(73.1,210.9) 73.15,210.95 73.15,291.05 v1(73.2,291.1) 73.2,367.8 76.2,370.8 v1(76.2,370.9)
TX485: R7.2 R63.2 U1.46 | length 48.4
  Top Layer w0.3: v1(95.419,98.194) 95.551,98.194 95.945,97.8 106.1,97.8 107.2,96.7 v1(121.9,96.7)
  Bottom Layer w0.3: v1(95.419,98.194) 96.141,97.472 U1.46@97.66,97.472 ; v1(121.9,96.7) 122,96.8 125.639,96.8 131.239,91.2 ; R63.2@133.407,91.2 131.239,91.2 ; R7.2@134.682,87.757 134.682,87.852 134.457,88.077 134.362,88.077 131.239,91.2
VCC24_In: D6.C D7.C F3.1 | length 12.5
  Bottom Layer w1: D6.C@62.738,71.979 D7.C@67.564,71.979 67.501,72.042 67.501,79.567 F3.1@67.437,79.63
white_led_T1: Q5_T1.3 R40_T1.2 R42_T1.2 | length 12.8
  Top Layer w0.3: v1(136.525,361.95) v1(136.525,366.776)
  Bottom Layer w0.3: R40_T1.2@136.454,359.41 136.525,359.481 v1(136.525,361.95) ; R42_T1.2@136.454,369.316 136.525,369.245 v1(136.525,366.776) ; R42_T1.2@136.489,369.316 Q5_T1.3@139.319,369.316
white_led_T2: Q5_T2.3 R40_T2.2 R42_T2.2 | length 12.8
  Top Layer w0.3: v1(136.525,281.94) v1(136.525,286.766)
  Bottom Layer w0.3: R40_T2.2@136.454,279.4 136.525,279.471 v1(136.525,281.94) ; R42_T2.2@136.454,289.306 136.525,289.235 v1(136.525,286.766) ; R42_T2.2@136.489,289.306 Q5_T2.3@139.319,289.306
white_led_T3: Q5_T3.3 R40_T3.2 R42_T3.2 | length 12.8
  Top Layer w0.3: v1(136.525,201.93) v1(136.525,206.756)
  Bottom Layer w0.3: R40_T3.2@136.454,199.39 136.525,199.461 v1(136.525,201.93) ; R42_T3.2@136.454,209.296 136.525,209.225 v1(136.525,206.756) ; R42_T3.2@136.489,209.296 Q5_T3.3@139.319,209.296
white_led_T4: Q5_T4.3 R40_T4.2 R42_T4.2 | length 12.8
  Top Layer w0.3: v1(136.525,121.92) v1(136.525,126.746)
  Bottom Layer w0.3: R40_T4.2@136.454,119.38 136.525,119.451 v1(136.525,121.92) ; R42_T4.2@136.454,129.286 136.525,129.215 v1(136.525,126.746) ; R42_T4.2@136.489,129.286 Q5_T4.3@139.319,129.286
whitenoise: C16.1 R12.1 R13.2 U1.96 | length 16.7
  Bottom Layer w0.3: U1.96@113.16,89.472 124.857,89.472 125.555,88.774 C16.1@125.73,88.774 125.855,88.649 R13.2@127.762,88.649 R12.1@129.54,88.649
XTAL1: C1.2 U1.34 Y1.2 | length 17.4
  Bottom Layer w0.3: C1.2@84.836,97.144 87.796,97.144 Y1.2@88.646,97.994 ; Y1.2@88.646,99.519 Y1.2@88.646,97.994 ; U1.34@97.66,91.472 96.361,91.472 90.678,97.155 89.485,97.155 Y1.2@88.646,97.994
XTAL2: C4.2 U1.33 Y1.1 | length 15.6
  Bottom Layer w0.3: C4.2@84.836,92.321 87.796,92.321 Y1.1@88.646,91.471 ; Y1.1@88.646,90.019 Y1.1@88.646,91.471 ; U1.33@97.66,90.972 96.099,90.972 94.742,92.329 89.496,92.329 88.646,91.479 Y1.1@88.646,91.471
pads on no net: "BAT 1." D1.2 D4.2 Q1.3 R61.2 R61.3 R61.4 R61.5 R61.6 R61.7 U1.4 U1.8 U1.9 U1.12 U1.13 U1.14 U1.24 U1.25 U1.26 U1.27 U1.35 U1.36 U1.37 U1.38 U1.39 U1.41 U1.47 U1.48 U1.49 U1.54 U1.55 U1.56 U1.57 U1.58 U1.59 U1.60 U1.63 U1.64 U1.65 U1.66 U1.67 U1.78 U1.79 U1.82 U1.83 U1.84 U1.85 U1.86 U1.87 U1.88 U1.89 U1.90 U1.91 U1.92 U4.1 U6.6 U6.7 U6.9 U6.10 U6.11

## Polygon pours and split planes (outlines as drawn)
GND on Top Layer "GND_L01_P001" (solid, remove dead copper, pour order 1): 43.6,26.1 163.537,26.098 163.602,506.098 43.6,506.098
GND on Bottom Layer "GND_L02_P000" (solid, remove dead copper, pour order 0): 43.6,26 163.537,25.998 163.602,505.998 43.6,505.998

## Keep-outs
Keep-Out Layer:
  the board outline again, w1

## Silkscreen, mask and mechanical layers (free items; w line width, h text height)
Top Overlay:
  circle w0.1: c119.169,92.527 r3.7
  circle w0.1: c88.669,347.027 r2.5
  circle w0.1: c98.669,347.027 r2.5
  circle w0.1: c108.669,347.027 r2.5
  circle w0.1: c118.669,347.027 r2.5
  circle w0.1: c88.669,267.027 r2.5
  circle w0.1: c98.669,267.027 r2.5
  circle w0.1: c108.669,267.027 r2.5
  circle w0.1: c118.669,267.027 r2.5
  circle w0.1: c88.669,187.027 r2.5
  circle w0.1: c98.669,187.027 r2.5
  circle w0.1: c108.669,187.027 r2.5
  circle w0.1: c118.669,187.027 r2.5
  circle w0.1: c88.669,107.027 r2.5
  circle w0.1: c98.669,107.027 r2.5
  circle w0.1: c108.669,107.027 r2.5
  circle w0.1: c118.669,107.027 r2.5
  lines w0.1: 46.766,36.108 46.766,46.108 56.766,46.108 56.766,36.108 46.766,36.108 ; 48.6,83 48.6,86 59.6,86 59.6,83 48.6,83 ; 60.5,434 145.8,434 145.8,494.027 60.5,494.027 60.5,434 ; 61.8,31.027 61.8,63.8 147.4,63.8 147.4,31.027 61.8,31.027 ; 66.909,444.027 66.909,494.027 139.909,494.027 139.909,444.027 66.909,444.027 ; 67.169,31.027 140.169,31.027 140.169,56.027 67.169,56.027 67.169,31.027 ; 69.2,63.8 69.2,75.7 127.2,75.7 127.2,63.8 69.2,63.8 ; 74.666,116.527 74.666,160.527 132.666,160.527 132.666,116.527 74.666,116.527 ; 74.666,196.527 74.666,240.527 132.666,240.527 132.666,196.527 74.666,196.527 ; 74.666,276.527 74.666,320.527 132.666,320.527 132.666,276.527 74.666,276.527 ; 74.666,356.527 74.666,400.527 132.666,400.527 132.666,356.527 74.666,356.527 ; 157.669,69.027 157.669,107.4 160.669,107.4 160.669,69.027 157.669,69.027
  lines w0.254: 47.774,84.796 ccw(c46.3,84.6) 47.778,84.764 ; 63.774,84.796 ccw(c62.3,84.6) 63.778,84.764
  text "MS1746" at 54.176,451.9 h2.2 r90
  text "GIC CP BOARD- V2.6" at 51.476,446.1 h2.2 r90
  text "+" at 44.682,85.7 h5 r270
  text "-" at 61.7,83.437 h5
Bottom Overlay:
  lines w0.2: 81.973,58.7 81.973,71.567 82,71.567 ; 96.973,42.567 96.973,59.127 ; 96.973,63.627 96.973,71.567
  lines w0.254: 47.774,84.796 ccw(c46.3,84.6) 47.778,84.764 ; 63.774,84.796 ccw(c62.3,84.6) 63.778,84.764
  text "RX" at 136,100.2 h3 r270
  text "TX" at 132.6,100.1 h3 r270
  text "+" at 44.682,85.7 h5 r270
  text "-" at 61.7,83.437 h5
Mechanical 1:
  circle w0.2: c119.169,92.527 r3.7
  circle w0.2: c88.669,347.027 r2.5
  circle w0.2: c108.669,347.027 r2.5
  circle w0.2: c118.669,347.027 r2.5
  circle w0.2: c98.669,347.027 r2.5
  circle w0.013: c157.669,161.027 r1.75
  circle w0.013: c157.669,266.027 r1.75
  circle w0.013: c157.669,371.027 r1.75
  circle w0.013: c157.669,56.027 r1.75
  circle w0.013: c157.669,476.027 r1.75
  circle w0.013: c49.669,161.027 r1.75
  circle w0.013: c49.669,266.027 r1.75
  circle w0.013: c49.669,371.027 r1.75
  circle w0.013: c49.669,56.027 r1.75
  circle w0.013: c49.669,476.027 r1.75
  circle w0.013: c103.666,138.527 r16.356
  circle w0.013: c103.666,218.527 r16.356
  circle w0.013: c103.666,298.527 r16.356
  circle w0.006: c103.666,138.527 r0.003
  circle w0.2: c118.669,107.027 r2.5
  circle w0.2: c108.669,107.027 r2.5
  circle w0.2: c98.669,107.027 r2.5
  circle w0.2: c88.669,107.027 r2.5
  circle w0.006: c103.666,218.527 r0.003
  circle w0.2: c118.669,187.027 r2.5
  circle w0.2: c108.669,187.027 r2.5
  circle w0.2: c98.669,187.027 r2.5
  circle w0.2: c88.669,187.027 r2.5
  circle w0.006: c103.666,298.527 r0.003
  circle w0.2: c118.669,267.027 r2.5
  circle w0.2: c108.669,267.027 r2.5
  circle w0.2: c98.669,267.027 r2.5
  circle w0.2: c88.669,267.027 r2.5
  circle w0.006: c103.666,378.527 r0.003
  circle w0.013: c103.666,378.527 r16.356
  lines w0.013: 74.666,116.527 74.666,160.527 ; 74.666,116.527 147.666,116.527 147.666,160.527 74.666,160.527 ; 74.666,116.527 74.666,160.527 ; 74.666,116.527 132.666,116.527 132.666,160.527 74.666,160.527 ; 74.666,196.527 74.666,240.527 ; 74.666,196.527 147.666,196.527 147.666,240.527 74.666,240.527 ; 74.666,196.527 74.666,240.527 ; 74.666,196.527 132.666,196.527 132.666,240.527 74.666,240.527 ; 74.666,276.527 74.666,320.527 ; 74.666,276.527 147.666,276.527 147.666,320.527 74.666,320.527 ; 74.666,276.527 74.666,320.527 ; 74.666,276.527 132.666,276.527 132.666,320.527 74.666,320.527 ; 74.666,356.527 74.666,400.527 ; 74.666,356.527 147.666,356.527 147.666,400.527 74.666,400.527 ; 74.666,356.527 74.666,400.527 ; 74.666,356.527 132.666,356.527 132.666,400.527 74.666,400.527 ; 66.909,444.027 66.909,494.027 139.909,494.027 139.909,444.027 66.909,444.027
  lines w0.2: 67.169,31.027 67.169,56.027 140.169,56.027 140.169,31.027 67.169,31.027
Mechanical 2:
  drawing of 8608 lines, arcs and shapes, not listed
Mechanical 3:
  circle w0.1: c157.669,56.027 r3.7
  circle w0.1: c157.669,161.027 r3.7
  circle w0.1: c157.669,266.027 r3.7
  circle w0.1: c157.669,371.027 r3.7
  circle w0.1: c157.669,476.027 r3.7
  circle w0.1: c49.669,476.027 r3.7
  circle w0.1: c49.669,371.027 r3.7
  circle w0.1: c49.669,266.027 r3.7
  circle w0.1: c49.669,161.027 r3.7
  circle w0.1: c49.669,56.027 r3.7
  circle w0.1: c98.669,347.027 r2.5
  circle w0.1: c108.669,347.027 r2.5
  circle w0.1: c98.669,107.027 r2.5
  circle w0.1: c98.669,187.027 r2.5
  circle w0.1: c98.669,267.027 r2.5
  circle w0.1: c108.669,107.027 r2.5
  circle w0.1: c108.669,187.027 r2.5
  circle w0.1: c108.669,267.027 r2.5
  circle w0.1: c88.669,347.027 r2.5
  circle w0.1: c118.669,347.027 r2.5
  circle w0.1: c88.669,107.027 r2.5
  circle w0.1: c88.669,187.027 r2.5
  circle w0.1: c88.669,267.027 r2.5
  circle w0.1: c119.169,92.527 r3.7
  circle w0.1: c118.669,107.027 r2.5
  circle w0.1: c118.669,187.027 r2.5
  circle w0.1: c118.669,267.027 r2.5
  lines w0.1: 46.766,36.108 46.766,46.108 56.766,46.108 56.766,36.108 46.766,36.108 ; 48.6,83 48.6,86 59.6,86 59.6,83 48.6,83 ; 60.5,434 60.5,494.027 145.8,494.027 145.8,434 60.5,434 ; 61.8,31.027 61.8,64.5 68.9,64.5 68.9,75.7 127.2,75.7 127.2,64.5 147.4,64.5 147.4,31.027 61.8,31.027 ; 74.666,116.527 74.666,160.527 132.666,160.527 132.666,116.527 74.666,116.527 ; 74.666,196.527 74.666,240.527 132.666,240.527 132.666,196.527 74.666,196.527 ; 74.666,276.527 74.666,320.527 132.666,320.527 132.666,276.527 74.666,276.527 ; 74.666,356.527 74.666,400.527 132.666,400.527 132.666,356.527 74.666,356.527 ; 157.669,69.027 157.669,107.4 160.669,107.4 160.669,69.027 157.669,69.027
  lines w0.8: 148.669,26.027 58.669,26.027 cw(c58.669,41.027) 43.669,41.027 43.669,491.126 cw(c58.57,491.126) 58.57,506.027 148.669,506.027 cw(c148.669,491.027) 163.669,491.027 163.669,40.936 cw(c148.76,40.936) 148.76,26.027

## Text inside footprints (layer, text, board x,y; h text height)
C18: Bottom Overlay "+" at 61.028,91.229 h0.9 r180
C19: Bottom Overlay "+" at 57.606,128.975 h0.9 r180
U5: Bottom Overlay "1" at 80.01,72.39 h0.9 r90; Bottom Overlay "3" at 76.327,72.39 h0.9 r90